# Altium PCB B1029_T01_V1.1.PcbDoc (part 2 of 2)
Units mm, origin at the board's own origin, x right, y up, seen from the top; angles counter-clockwise.
Board outline 50.91 x 35.43 mm, 4 copper layers (Top Layer, Mid-Layer 1, Mid-Layer 2, Bottom Layer), stack 0.842 mm thick; 178 components, 127 nets, 732 pads, 277 vias.
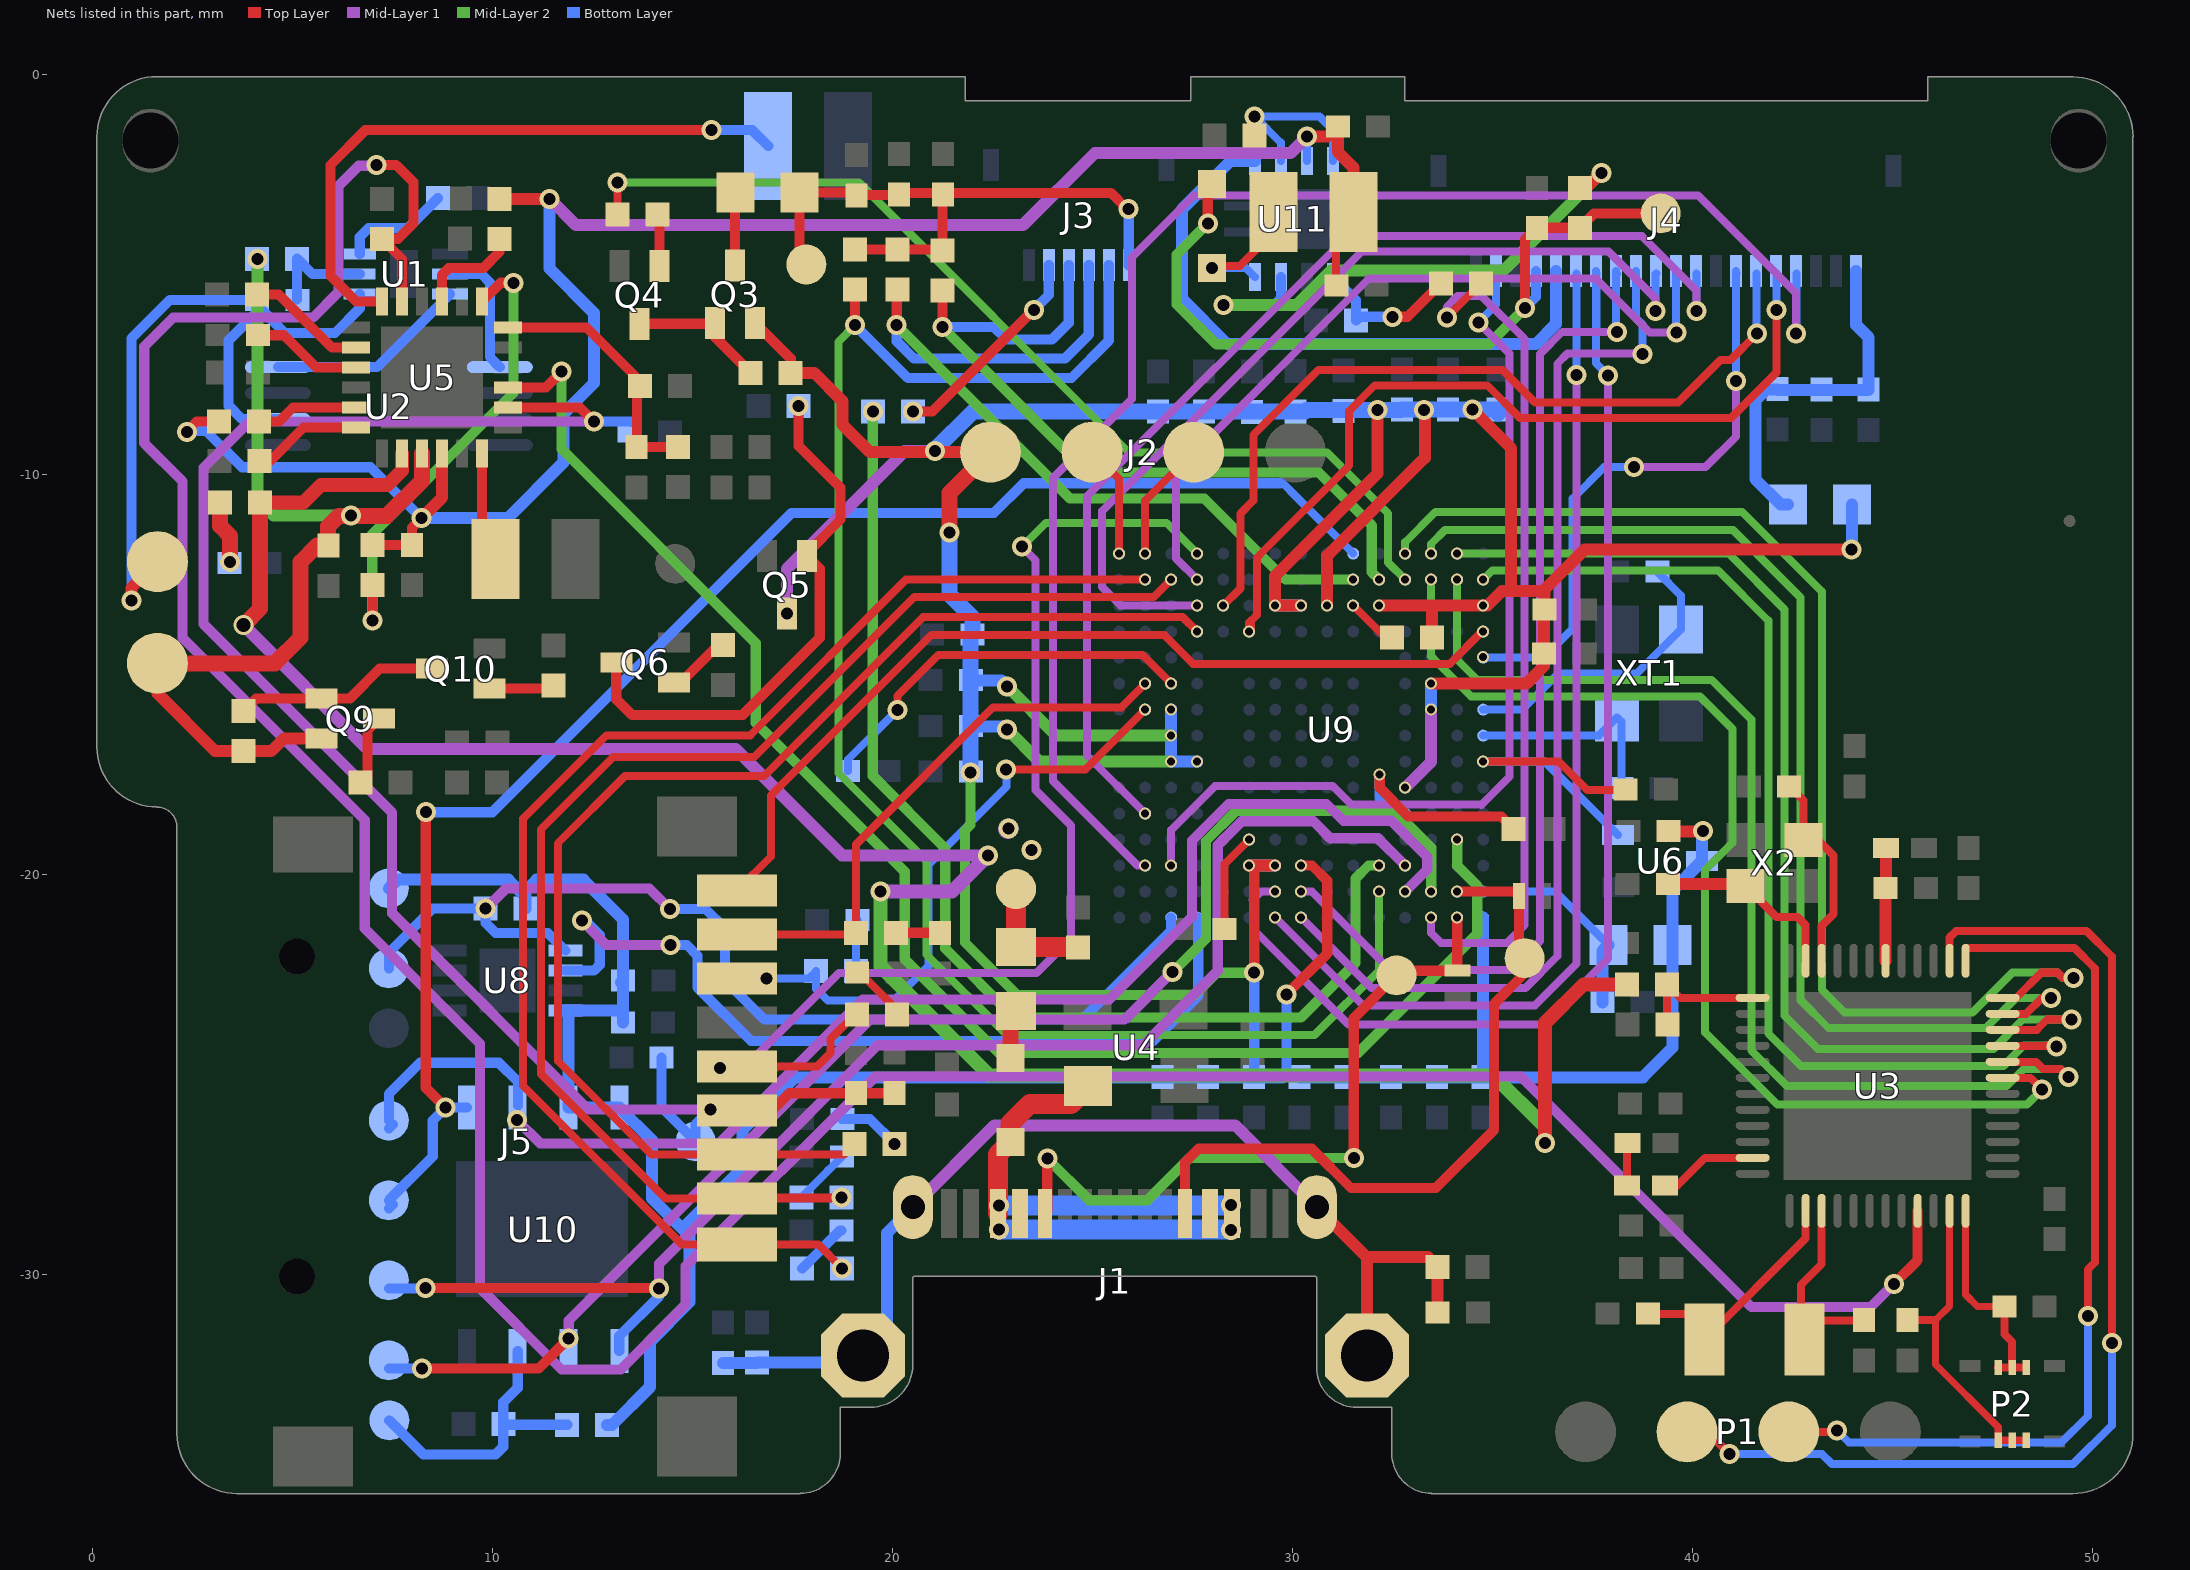
[diagram p4: the nets of this part, all layers, seen from the top]

## Via types
v1: diameter 0.5, hole 0.3, Top Layer to Bottom Layer, 203 vias
v2: diameter 0.3, hole 0.2, Top Layer to Bottom Layer, 73 vias
v3: diameter 0.5, hole 0.35, Top Layer to Bottom Layer, 1 vias

## Nets (pads, with @x,y where several pads share a name; then routed paths per layer and width w, separated by ;. In a path a pad name is that pad's centre, name@x,y a point inside that pad or via, vN(x,y) a via of type N, cw(c..) or ccw(c..) an arc to the next point about the centre after c; other vN are vias at no path point) (continued)
LCD_DB1: J4.9 U9.L14 | length 28.5
  Mid-Layer 1 w0.2: v2(26.327,-18.48) 24.867,-17.02 24.867,-10.555 31.378,-4.045 38.744,-4.045 40.104,-5.405 v1(40.104,-5.913)
  Bottom Layer w0.2: v1(40.104,-5.913) 40.104,-4.98 J4.9@40.111,-4.974
LCD_DB2: J4.10 U9.B12 | length 19.5
  Mid-Layer 1 w0.2: v2(27.627,-12.63) 27.1,-12.102 27.1,-9.927 31.918,-5.108 37.594,-5.108 38.944,-6.458 v1(39.611,-6.458)
  Bottom Layer w0.2: J4.10@39.598,-4.915 39.598,-6.445 v1(39.611,-6.458)
LCD_DB3: J4.11 U9.C12 | length 22.7
  Mid-Layer 1 w0.2: v2(27.627,-13.28) 25.714,-13.28 25.247,-12.814 25.247,-10.92 31.742,-4.425 37.911,-4.425 39.088,-5.603 v1(39.088,-5.913)
  Bottom Layer w0.2: v1(39.088,-5.913) 39.088,-4.996 J4.11@39.111,-4.974
LCD_DB4: J4.12 U9.R8 | length 26.7
  Mid-Layer 1 w0.2: v2(30.227,-21.08) 31.986,-22.839 35.836,-22.839 36.629,-22.046 36.629,-7.235 36.888,-6.977 38.746,-6.977 v1(38.757,-6.988)
  Bottom Layer w0.2: J4.12@38.598,-4.915 38.598,-6.095 38.757,-6.254 v1(38.757,-6.988) ; v1@38.78,-7.011 38.788,-7.004 v1@38.788,-6.988
LCD_DB5: J4.13 U9.P8 | length 25.5
  Mid-Layer 1 w0.2: v2(30.227,-20.43) 30.491,-20.43 32.454,-22.393 35.467,-22.393 36.196,-21.664 36.196,-6.993 36.754,-6.435 v1(38.12,-6.435)
  Bottom Layer w0.2: J4.13@38.098,-4.915 38.098,-6.412 v1(38.12,-6.435) ; J4.13@38.111,-4.974 J4.13@38.123,-4.986
LCD_DB6: J4.14 U9.P9 | length 30.8
  Mid-Layer 1 w0.2: v2(29.577,-20.43) 29.219,-20.43 29.007,-20.642 29.018,-20.653 29.018,-21.359 31.41,-23.751 36.255,-23.751 37.901,-22.105 v1(37.901,-7.524)
  Bottom Layer w0.2: J4.14@37.598,-4.915 37.598,-7.22 v1(37.901,-7.524) ; J4.14@37.611,-4.974 37.611,-6.468 37.62,-6.477
LCD_DB7: J4.15 U9.R9 | length 26.1
  Mid-Layer 1 w0.2: v2(29.577,-21.08) 31.77,-23.273 36.07,-23.273 37.111,-22.232 v1(37.111,-7.51)
  Bottom Layer w0.2: v1(37.111,-7.51) J4.15@37.111,-4.974
LCD_FMARK: J4.19 U9.N13 | length 23.5
  Top Layer w0.125: v2(26.977,-19.78) v2@26.977,-19.749
  Mid-Layer 1 w0.2: v2(26.977,-19.78) 26.977,-18.89 28.078,-17.789 31.015,-17.789 31.477,-18.251 34.724,-18.251 34.733,-18.26 35.435,-17.558 35.435,-6.982 v1(34.654,-6.201)
  Bottom Layer w0.2: v1(34.654,-6.201) 35.098,-5.758 J4.19@35.098,-4.915
LCD_RD: J4.5 U9.D10 | length 21.2
  Top Layer w0.2: 29.194,-12.009 29.117,-12.085 ; v1(42.111,-5.888) 42.111,-7.454 40.975,-8.59 35.695,-8.59 34.878,-7.773 32.067,-7.773 31.426,-8.413 31.426,-9.776 29.117,-12.085 ; 28.977,-13.658 29.117,-13.518 29.117,-12.085 ; 28.977,-13.658 28.977,-13.88 v2(28.927,-13.93) 28.927,-13.708 28.977,-13.658
  Bottom Layer w0.2: v1(42.111,-5.888) J4.5@42.111,-4.974
LCD_RES: J4.7 U9.E1 | length 15.7
  Mid-Layer 1 w0.2: v1(38.552,-9.819) 40.335,-9.819 41.095,-9.059 v1(41.095,-7.671)
  Bottom Layer w0.2: U9.E1@34.769,-14.519 v2(34.769,-14.571) 34.776,-14.579 36.286,-14.579 37.015,-13.85 37.015,-10.607 37.803,-9.819 v1(38.552,-9.819) ; v1(41.095,-7.671) 41.098,-7.669 J4.7@41.098,-4.987 ; 41.095,-5.913 41.095,-4.989 J4.7@41.098,-4.987 ; J4.7@41.098,-4.915 J4.7@41.098,-4.987 ; J4.7@41.111,-4.974 J4.7@41.098,-4.987
LCD_RS: J4.4 U9.N14 | length 37.9
  Mid-Layer 1 w0.2: v2(26.327,-19.78) 26.133,-19.78 24.02,-17.667 24.02,-10.088 25.993,-8.114 25.993,-4.576 27.545,-3.024 40.147,-3.024 42.594,-5.471 v1(42.594,-6.472)
  Bottom Layer w0.2: v1(42.594,-6.472) 42.611,-6.455 J4.4@42.611,-4.974
LCD_WR: J4.6 U9.C11 | length 20.4
  Top Layer w0.2: v2(28.277,-13.28) 28.707,-12.85 28.707,-10.98 29.038,-10.649 29.038,-9.01 30.656,-7.393 35.262,-7.393 36.074,-8.205 39.651,-8.205 40.713,-7.142 40.958,-7.142 v1(41.628,-6.472)
  Mid-Layer 1 w0.2: v2(28.277,-13.28) v2@28.277,-13.242
  Bottom Layer w0.2: J4.6@41.611,-4.974 41.611,-6.455 v1(41.628,-6.472)
LEDA: C76.2 D4.2 J4.17 R43.2 T9.1 | length 19.3
  Top Layer w0.254: v1(27.891,-3.725) 27.891,-2.854 D4.2@27.999,-2.746 ; v1(35.819,-5.843) 35.819,-4.129 36.113,-3.835 R43.2@37.194,-3.835 37.554,-3.475 T9.1@39.215,-3.475
  Mid-Layer 2 w0.254: v1(27.891,-3.725) 27.11,-4.506 27.11,-5.751 28.107,-6.748 34.915,-6.748 v1(35.819,-5.843)
  Bottom Layer w0.254: v1(35.819,-5.843) 36.098,-5.565 J4.17@36.098,-4.915
LEDK: J4.16 U11.1 | length 15.9
  Bottom Layer w0.3: U11.1@29.068,-2.169 28.454,-2.169 27.248,-3.375 27.248,-5.612 28.381,-6.744 36.088,-6.744 36.598,-6.235 J4.16@36.598,-4.915
NetBT1_2: BT1.2 C7.1 U1.4 U2.2 | length 19.1
  Top Layer w0.3: v1(0.981,-13.148) 0.981,-12.835 BT1.2@1.633,-12.183
  Bottom Layer w0.254: v1(0.981,-13.148) 0.981,-6.603 1.948,-5.636 C7.1@4.121,-5.636 4.121,-5.77 C7.1@4.125,-5.774 ; U2.2@4.644,-8.618 3.748,-8.618 3.413,-8.283 3.413,-6.647 4.125,-5.935 C7.1@4.125,-5.774 ; U1.4@6.69,-5.491 6.69,-5.847 6.073,-6.465 4.816,-6.465 C7.1@4.125,-5.774
NetC5_2: C5.2 C10.2 J1.0 R3.2 R6.2 | length 26.8
  Top Layer w0.3: J1.0@30.619,-28.318 31.869,-29.568 ; J1.0@31.869,-32.025 31.869,-29.568 ; C10.2@33.636,-30.958 33.636,-29.816 R6.2@33.639,-29.813 33.393,-29.568 31.869,-29.568
  Mid-Layer 1 w0.3: J1.0@20.519,-28.318 22.561,-26.276 28.578,-26.276 J1.0@30.619,-28.318
  Bottom Layer w0.3: C5.2@15.768,-32.211 R3.2@16.621,-32.211 ; R3.2@16.621,-32.209 19.086,-32.209 J1.0@19.269,-32.025 19.867,-31.428 19.867,-28.97 J1.0@20.519,-28.318
NetC7_2: C7.2 R5.1 U1.5 | length 2.7
  Bottom Layer w0.254: C7.2@5.125,-5.626 R5.1@5.125,-4.61 5.506,-4.991 U1.5@6.69,-4.991
NetC13_2: C13.2 R50.1 | length 1.6
  Top Layer w0.4: R50.1@3.197,-10.708 3.197,-11.289 3.446,-11.538 v1(3.446,-12.193)
NetC16_2: C16.2 U5.3 | length 2.8
  Top Layer w0.254: C16.2@4.141,-6.523 4.798,-6.523 5.605,-7.33 U5.3@6.597,-7.33
NetC19_1: C19.1 L3.1 U3.30 | length 2.8
  Top Layer w0.3: U3.30@44.838,-22.16 44.838,-20.353 C19.1@44.842,-20.349 ; C19.1@44.85,-20.341 L3.1@44.85,-19.335
  Top Layer w0.381: C19.1@44.842,-20.349 C19.1@44.85,-20.341
NetC23_2: C23.2 R15.2 R16.2 U5.18 | length 6.5
  Top Layer w0.254: U5.18@10.4,-6.33 12.36,-6.33 R16.2@13.76,-7.73 ; R16.2@13.696,-7.793 13.619,-7.87 13.619,-9.321 13.621,-9.319 R15.2@14.641,-9.319
NetC60_1: C60.1 U9.F13 | length 10
  Top Layer w0.2: v1(20.131,-15.892) 20.131,-15.536 21.157,-14.51 26.257,-14.51 v2(26.977,-15.23)
  Bottom Layer w0.2: C60.1@18.901,-17.42 18.901,-17.122 v1(20.131,-15.892)
NetC61_1: C61.1 U9.M10 | length 2.5
  Top Layer w0.2: C61.1@28.305,-21.367 28.311,-21.362 28.311,-19.746 v2(28.927,-19.13)
NetC64_2: C64.2 R32.2 | length 1.4
  Bottom Layer w0.254: R32.2@17.752,-29.851 18.703,-28.9 C64.2@18.738,-28.9
NetC65_2: C65.2 R34.2 | length 1.4
  Bottom Layer w0.2: R34.2@17.73,-28.075 18.403,-27.402 18.403,-27.394 18.414,-27.394 C65.2@18.749,-27.059
NetC66_1: C66.1 C69.1 C71.1 J4.1 L8.1 | length 9.1
  Bottom Layer w0.3: L8.1@42.391,-10.753 42.212,-10.753 41.58,-10.121 41.58,-8.16 41.864,-7.876 42.14,-7.876 42.152,-7.888 43.247,-7.888 44.415,-7.888 44.415,-6.577 44.098,-6.259 J4.1@44.098,-4.915
NetC67_2: C67.2 R35.2 | length 1.6
  Bottom Layer w0.254: C67.2@18.755,-26.114 19.443,-26.114 v1(20.064,-26.735)
NetC68_2: C68.2 R38.2 | length 1.5
  Top Layer w0.2: C68.2@19.121,-22.447 19.186,-22.447 20.118,-23.38 R38.2@20.118,-23.501
NetC70_2: C70.2 R39.2 | length 1.3
  Bottom Layer w0.2: R39.2@19.103,-22.421 19.103,-21.17 C70.2@19.133,-21.141
NetC72_2: C72.2 R41.2 | length 1.1
  Top Layer w0.254: R41.2@20.097,-21.46 21.232,-21.46 C72.2@21.238,-21.465
NetD1_2: D1.2 FB1.1 | length 1.2
  Top Layer w0.4: D1.2@22.961,-24.586 22.961,-23.553 FB1.1@23.097,-23.416
NetD4_1: D4.1 L7.2 U11.8 | length 3.7
  Top Layer w0.2: v1(27.999,-4.846) 28.053,-4.792 28.691,-4.792 29.533,-3.95 L7.2@29.533,-3.44 ; L7.2@29.468,-3.375 L7.2@29.568,-3.275
  Bottom Layer w0.2: v1(27.999,-4.846) 28.845,-4.846 U11.8@29.068,-5.069
NetJ3_2: J3.2 R27.1 | length 5.4
  Top Layer w0.254: v1(20.518,-8.429) 21.002,-8.429 v1(23.544,-5.888) v1@23.594,-5.837
  Bottom Layer w0.254: v1(23.544,-5.888) 23.917,-5.515 J3.2@23.917,-4.77
NetK1_2: K1.2 U5.24 | length 15.8
  Top Layer w0.254: U5.24@7.248,-5.678 6.601,-5.678 5.96,-5.038 5.96,-2.264 6.83,-1.394 v1(15.485,-1.394)
  Bottom Layer w0.254: v1(15.485,-1.394) 16.507,-1.394 K1.2@16.903,-1.79
NetL1_2: L1.2 L2.1 | length 1.1
  Top Layer w0.2: L2.1@38.374,-27.776 38.374,-26.729 L1.2@38.382,-26.721
NetL2_2: L2.2 U3.47 | length 2.5
  Top Layer w0.2: L2.2@39.324,-27.776 39.63,-27.776 40.321,-27.085 U3.47@41.513,-27.085
NetL4_2: L4.2 U5.12 | length 2.5
  Top Layer w0.254: L4.2@9.624,-11.932 9.748,-11.808 U5.12@9.748,-9.482
NetL6_1: L6.1 Q3.2 | length 1.8
  Top Layer w0.254: Q3.2@16.076,-4.78 16.076,-2.962 L6.1@16.089,-2.95
NetQ3_1: Q3.1 Q4.2 R23.1 | length 3.5
  Top Layer w0.254: Q4.2@13.684,-6.235 15.561,-6.235 Q3.1@15.576,-6.22 15.576,-6.574 R23.1@16.465,-7.463
NetQ4_1: Q4.1 R22.2 | length 1.3
  Top Layer w0.254: R22.2@14.138,-3.508 14.184,-3.555 Q4.1@14.184,-4.795
NetQ5_1: Q5.1 Q6.2 R24.1 | length 13.7
  Top Layer w0.254: Q6.2@13.104,-14.702 13.104,-15.622 13.494,-16.012 16.266,-16.012 18.191,-14.087 18.191,-12.361 Q5.1@17.871,-12.041 17.871,-11.969 18.711,-11.129 18.711,-10.336 17.661,-9.286 v1(17.661,-8.289)
NetQ6_1: Q6.1 R25.1 | length 1.6
  Top Layer w0.254: Q6.1@14.544,-15.202 14.717,-15.202 15.659,-14.26 R25.1@15.776,-14.26
NetQ9_1: Q9.1 Q10.2 R44.1 | length 5.2
  Top Layer w0.254: R44.1@3.782,-15.921 4.097,-15.606 Q9.1@5.738,-15.606 6.439,-15.606 7.191,-14.854 Q10.2@8.498,-14.854
NetQ9_2: Q9.2 R45.2 | length 1.8
  Top Layer w0.254: R45.2@6.711,-17.699 6.736,-17.699 6.881,-17.554 6.881,-16.403 Q9.2@7.178,-16.106
NetQ10_1: Q10.1 R46.1 | length 1.6
  Top Layer w0.254: Q10.1@9.938,-15.354 11.454,-15.354 R46.1@11.53,-15.278
NetR4_1: R4.1 U1.6 | length 2.8
  Bottom Layer w0.254: U1.6@6.69,-4.491 6.69,-4.066 6.909,-3.847 7.89,-3.847 R4.1@8.65,-3.087
NetR9_2: R9.2 U5.2 | length 3
  Top Layer w0.254: R9.2@4.163,-5.507 4.671,-5.507 5.994,-6.83 U5.2@6.597,-6.83
NetR10_2: R10.2 U5.6 | length 2.8
  Top Layer w0.254: R10.2@4.181,-9.664 4.451,-9.664 5.285,-8.83 U5.6@6.597,-8.83
NetR11_1: R11.1 U5.19 | length 11.8
  Top Layer w0.254: v1(7.004,-13.653) 7.01,-13.647 R11.1@7.01,-12.763 ; U5.19@9.748,-5.678 10.217,-5.21 v1(10.532,-5.21)
  Mid-Layer 2 w0.254: v1(7.004,-13.653) 7.004,-11.494 10.532,-7.966 v1(10.532,-5.21)
NetR12_2: R12.2 U5.21 | length 2.7
  Top Layer w0.254: U5.21@8.748,-5.678 8.748,-5.012 8.916,-4.844 9.777,-4.844 10.186,-4.435 R12.2@10.186,-4.113
NetR13_2: R13.2 U5.5 | length 2.6
  Top Layer w0.254: R13.2@4.174,-8.677 4.676,-8.677 5.023,-8.33 U5.5@6.597,-8.33
NetR30_2: R30.2 U9.C6 | length 1.3
  Top Layer w0.2: v2(31.527,-13.28) 32.321,-14.074 R30.2@32.496,-14.074
NetR31_2: R31.2 U9.L4 | length 5.5
  Top Layer w0.254: v2(32.189,-17.507) 32.189,-17.838 32.905,-18.554 35.227,-18.554 R31.2@35.54,-18.867
  Bottom Layer w0.254: v2(32.189,-17.507) 32.189,-18.086 32.583,-18.48 U9.L4@32.827,-18.48
NetR33_2: R33.2 R36.2 U11.5 | length 3.8
  Top Layer w0.254: v1(32.506,-6.061) 32.885,-6.061 R33.2@33.716,-5.23
  Bottom Layer w0.254: U11.5@31.018,-5.069 31.593,-5.644 R36.2@31.593,-6.156 31.688,-6.061 v1(32.506,-6.061)
NetR42_2: R42.2 U11.2 U11.4 | length 4.3
  Top Layer w0.2: v1@29.061,-1.054 v1(29.063,-1.052)
  Bottom Layer w0.2: U11.2@29.718,-2.169 29.718,-1.707 v1(29.063,-1.052) 30.682,-1.052 31.018,-1.388 U11.4@31.018,-2.169
NetR43_1: R43.1 U11.7 | length 13.5
  Top Layer w0.3: R43.1@37.194,-2.835 37.357,-2.835 v1(37.731,-2.461)
  Mid-Layer 2 w0.3: v1(28.284,-5.767) 30.118,-5.767 30.984,-4.901 35.291,-4.901 v1(37.731,-2.461)
  Bottom Layer w0.254: v1(28.284,-5.767) 29.557,-5.767 29.718,-5.606 U11.7@29.718,-5.069
NetR51_1: R51.1 R52.2 TVCC.1 U10.3 | length 7.4
  Bottom Layer w0.254: TVCC.1@7.43,-33.649 8.287,-34.506 10.082,-34.506 10.279,-34.308 R52.2@10.279,-33.745 ; U10.3@10.64,-31.919 10.64,-32.835 10.279,-33.196 R52.2@10.279,-33.745 ; R51.1@11.877,-33.761 10.296,-33.761 R52.2@10.279,-33.745
NetU1_2: U1.2 U2.5 | length 3.3
  Bottom Layer w0.254: U1.2@8.95,-4.991 9.733,-4.991 9.944,-5.202 9.944,-7.068 U2.5@10.194,-7.318
NetU1_3: U1.3 U2.4 | length 5.1
  Bottom Layer w0.254: U2.4@4.644,-7.318 7.123,-7.318 U1.3@8.95,-5.491
NFC1: C3.2 P2.1 P2.2 P2.3 U3.12 | length 5.5
  Top Layer w0.18: U3.12@46.838,-28.41 46.838,-30.51 47.133,-30.804 C3.2@47.805,-30.804
  Top Layer w0.2: P2.1@47.653,-32.327 P2.2@48.003,-32.327 ; C3.2@47.805,-30.804 47.805,-31.492 48.003,-31.691 P2.2@48.003,-32.327 ; P2.3@48.353,-32.327 P2.2@48.003,-32.327
NFC2: C4.2 P2.4 P2.5 P2.6 U3.11 | length 7.9
  Top Layer w0.18: U3.11@46.438,-28.41 46.438,-30.79 46.086,-31.142 46.086,-32.253 47.653,-33.82 P2.6@47.653,-34.147 P2.5@48.003,-34.147 P2.4@48.353,-34.147
  Top Layer w0.2: C4.2@45.381,-31.142 46.086,-31.142
NRF_RX: U3.23 U9.A3 | length 28.6
  Top Layer w0.2: U3.23@47.763,-23.485 48.348,-23.485 48.745,-23.088 v1(48.973,-23.088)
  Mid-Layer 2 w0.2: v2@33.477,-11.982 v2(33.477,-11.98) 33.477,-11.736 33.823,-11.39 41.02,-11.39 42.711,-13.081 42.711,-23.142 43.406,-23.836 47.351,-23.836 48.099,-23.088 v1(48.973,-23.088)
NRF_TX: U3.24 U9.A4 | length 30.9
  Top Layer w0.2: U3.24@47.763,-23.085 48.103,-23.085 48.736,-22.452 49.135,-22.452 49.271,-22.588 v1(49.529,-22.588)
  Mid-Layer 2 w0.2: v2@32.826,-11.982 32.826,-11.696 33.586,-10.936 41.248,-10.936 43.242,-12.93 43.242,-22.879 43.814,-23.451 47.012,-23.451 48.011,-22.452 49.129,-22.452 49.265,-22.588 v1(49.529,-22.588)
  other v2: 32.827,-11.98
NRST: C44.2 U6.2 U9.J1 | length 8
  Top Layer w0.2: v2(34.777,-17.18) 36.667,-17.18 37.379,-17.892 38.316,-17.892 C44.2@38.345,-17.863
  Bottom Layer w0.2: v2(34.777,-17.18) 36.313,-17.18 U6.2@38.149,-19.015
OSC_IN: C33.1 U9.G1 XT1.3 | length 7.5
  Bottom Layer w0.2: U9.G1@34.777,-15.88 35.751,-15.88 36.648,-14.984 38.613,-14.984 XT1.3@39.723,-13.873 39.723,-13.033 C33.1@39.131,-12.441
OSC_OUT: C34.1 U9.H1 XT1.1 | length 5.3
  Bottom Layer w0.2: U9.H1@34.777,-16.53 37.667,-16.53 XT1.1@38.123,-16.073 38.233,-16.183 C34.1@38.233,-17.826
PBSTAT: R8.2 U3.9 U5.23 | length 85.7
  Top Layer w0.254: v1(7.115,-2.264) 7.6,-2.264 8.034,-2.698 8.034,-3.723 7.64,-4.117 R8.2@7.251,-4.117 7.748,-4.614 U5.23@7.748,-5.678 ; v1(45.041,-30.24) 45.638,-29.643 U3.9@45.638,-28.41
  Mid-Layer 1 w0.254: v1@7.225,-2.284 6.667,-2.284 6.156,-2.795 6.156,-5.449 5.526,-6.08 2.028,-6.08 1.305,-6.804 1.305,-9.218 2.263,-10.177 2.263,-14.089 6.816,-18.642 6.816,-21.353 9.693,-24.23 9.693,-30.337 11.734,-32.378 13.219,-32.378 14.836,-30.761 14.836,-29.794 19.575,-25.056 35.721,-25.056 41.481,-30.816 44.466,-30.816 v1(45.041,-30.24)
PWM: R33.1 U9.R3 | length 21.6
  Top Layer w0.2: v1(33.867,-6.079) R33.1@34.716,-5.23
  Mid-Layer 1 w0.2: v2(33.477,-21.08) 33.477,-21.466 33.727,-21.716 35.369,-21.716 35.815,-21.27 35.815,-6.618 34.738,-5.541 34.137,-5.541 33.867,-5.811 v1(33.867,-6.079)
SBU1: D2.2 J1.A8 T3.1 U9.P2 | length 18
  Top Layer w0.254: J1.A8@27.324,-28.478 27.324,-27.194 27.659,-26.86 30.489,-26.86 31.472,-27.842 33.593,-27.842 35.051,-26.384 35.051,-23.238 35.812,-22.478 T3.1@35.812,-22.093 35.67,-21.951 D2.2@35.67,-20.544 35.556,-20.43 v2(34.127,-20.43)
SBU2: D3.2 J1.B8 T4.1 U9.R2 | length 17.8
  Top Layer w0.254: J1.B8@23.824,-28.478 23.879,-28.423 v1(23.879,-27.103) ; v1(31.541,-27.086) 31.541,-23.595 T4.1@32.611,-22.525 32.728,-22.408 D3.2@34.135,-22.408 34.127,-22.4 v2(34.127,-21.08)
  Mid-Layer 2 w0.254: v1(23.879,-27.103) 24.926,-28.15 26.379,-28.15 27.443,-27.086 v1(31.541,-27.086)
SD_3V3: C24.2 C73.1 C75.1 C77.1 J5.4 T8.1 U5.14 | length 44.7
  Top Layer w0.254: U5.14@10.4,-8.33 12.193,-8.33 v1(12.545,-8.682) ; v1(15.455,-25.882) 15.479,-25.906 J5.4@16.119,-25.906 16.992,-25.906 17.427,-25.47 C73.1@19.095,-25.47 20.045,-25.47 C75.1@20.056,-25.46
  Mid-Layer 1 w0.254: v1(12.545,-8.682) 3.932,-8.682 2.788,-9.827 2.788,-13.744 7.501,-18.457 7.501,-20.974 12.409,-25.882 v1(15.455,-25.882)
  Bottom Layer w0.254: v1(12.545,-8.682) 13.477,-8.682 C24.2@13.481,-8.686 ; C77.1@14.238,-24.581 14.238,-25.827 T8.1@15.088,-26.676 15.088,-26.249 v1(15.455,-25.882)
SD_CD: J5.9 U9.D1 | length 22.8
  Top Layer w0.2: J5.9@16.119,-20.406 16.967,-19.558 16.967,-18.031 20.979,-14.018 26.806,-14.018 27.522,-14.735 33.945,-14.735 v2@34.75,-13.93
  other v2: 34.777,-13.93
SD_CLK: J5.5 R38.1 U9.A12 | length 30.1
  Top Layer w0.2: J5.5@15.223,-25.045 16.88,-25.045 17.119,-24.806 18.124,-24.806 18.463,-24.467 18.463,-24.116 19.078,-23.501 R38.1@19.118,-23.501
  Mid-Layer 1 w0.2: v1(15.698,-24.84) 16.3,-24.84 18.671,-22.469 23.612,-22.469 24.475,-21.606 24.475,-18.779 23.588,-17.892 23.588,-12.147 v1(23.25,-11.809)
  Mid-Layer 2 w0.2: v1(23.25,-11.809) 23.841,-11.217 26.864,-11.217 v2(27.627,-11.98)
SD_CMD: J5.3 R35.1 U9.D12 | length 32.4
  Top Layer w0.2: R35.1@19.064,-26.735 18.794,-27.006 17.119,-27.006 13.987,-27.006 11.642,-24.662 11.642,-19.224 13.324,-17.542 16.801,-17.542 20.778,-13.565 27.262,-13.565 v2(27.627,-13.93)
SD_DATA0: J5.7 R39.1 U9.G14 | length 14.9
  Top Layer w0.2: v1(22.842,-17.377) 24.83,-17.377 v2(26.327,-15.88)
  Bottom Layer w0.2: v1(16.864,-22.599) 17.925,-22.599 R39.1@18.103,-22.421 18.103,-22.86 18.392,-23.15 20.039,-23.15 20.914,-22.275 20.914,-19.753 22.858,-17.809 22.858,-17.393 v1(22.842,-17.377)
SD_DATA1: J5.8 R41.1 U9.F14 | length 14.1
  Top Layer w0.2: J5.8@16.119,-21.506 19.05,-21.506 R41.1@19.097,-21.46 19.097,-19.25 22.518,-15.828 25.729,-15.828 v2(26.327,-15.23)
SD_DATA2: J5.1 R32.1 U9.B14 | length 34.6
  Top Layer w0.2: v1(18.752,-29.851) 18.157,-29.256 J5.1@16.119,-29.256 14.746,-29.256 10.773,-25.283 10.773,-18.608 12.857,-16.524 16.455,-16.524 20.349,-12.63 v2(26.327,-12.63)
SD_DATA3: J5.2 R34.1 U9.B13 | length 34.9
  Top Layer w0.2: v2(26.977,-12.63) 26.54,-13.067 20.554,-13.067 16.55,-17.071 13.023,-17.071 11.221,-18.873 11.221,-24.994 14.333,-28.106 15.656,-28.106 J5.2@17.119,-28.106 ; J5.2@17.119,-28.106 17.15,-28.075 v1(18.73,-28.075) 18.699,-28.106 J5.2@17.119,-28.106
SD_ON: U5.15 U9.M2 | length 38.8
  Top Layer w0.254: U5.15@10.4,-7.83 11.341,-7.83 v1(11.738,-7.433)
  Mid-Layer 2 w0.254: v1(11.738,-7.433) 11.738,-9.365 16.591,-14.218 16.591,-16.209 20.314,-19.932 20.314,-22.118 22.658,-24.462 31.655,-24.462 34.63,-21.487 34.63,-20.287 34.127,-19.784 v2(34.127,-19.13)
SE_ONEWIRE: DATA.1 R21.2 U8.5 U9.R13 | length 26.6
  Mid-Layer 1 w0.25: v1(9.84,-20.859) 10.341,-20.358 13.937,-20.358 v1(14.445,-20.866)
  Bottom Layer w0.25: DATA.1@7.419,-22.349 7.419,-21.952 8.512,-20.859 v1(9.84,-20.859) 9.84,-21.215 10.089,-21.464 11.391,-21.464 U8.5@11.829,-21.902 ; v1(14.445,-20.866) 15.336,-20.866 15.827,-21.357 15.827,-22.653 16.805,-23.63 24.754,-23.63 26.977,-21.407 U9.R13@26.977,-21.08
SE_STA: U8.6 U9.R12 | length 21.8
  Mid-Layer 1 w0.254: v1(12.242,-21.157) 12.242,-21.152 12.857,-21.767 v1(14.456,-21.767)
  Bottom Layer w0.254: U8.6@11.829,-22.402 12.55,-22.402 12.69,-22.262 12.69,-21.514 12.328,-21.152 12.242,-21.152 v1(12.242,-21.157) ; v1(14.456,-21.767) 14.872,-21.767 15.131,-22.027 15.131,-22.82 16.475,-24.165 26.53,-24.165 27.654,-23.042 27.654,-21.106 U9.R12@27.627,-21.08
SPI1_MISO: MISO.1 U9.P3 U10.2 | length 35
  Top Layer w0.254: v1(8.246,-32.357) 11.159,-32.357 v1(11.915,-31.6)
  Mid-Layer 1 w0.254: v1(11.915,-31.6) 11.915,-31.155 19.44,-23.63 25.812,-23.63 v1(27.006,-22.437)
  Mid-Layer 2 w0.254: v1(27.006,-22.437) 27.006,-22.453 27.848,-21.611 27.848,-19.165 28.604,-18.409 32.558,-18.409 33.477,-19.328 v2(33.477,-20.43)
  Bottom Layer w0.254: MISO.1@7.419,-32.349 8.238,-32.349 v1(8.246,-32.357)
SPI1_MOSI: MOSI.1 U9.A6 U10.5 | length 40.7
  Top Layer w0.254: v1(8.342,-18.446) 8.342,-25.334 v1(8.839,-25.831)
  Bottom Layer w0.2: 29.7,-10.222 29.77,-10.222 U9.A6@31.527,-11.98 ; 29.946,-10.403 U9.A6@31.526,-11.983
  Bottom Layer w0.254: MOSI.1@7.419,-28.349 MOSI.1@7.519,-28.249 ; MOSI.1@7.419,-28.149 8.516,-27.052 8.516,-26.154 v1(8.839,-25.831) U10.5@9.37,-25.831 ; v1(8.342,-18.446) 10.003,-18.446 17.487,-10.962 22.548,-10.962 23.288,-10.222 29.7,-10.222
SPI1_NSS: SS.1 U9.N4 U10.1 | length 35
  Top Layer w0.254: v1(8.332,-30.343) 14.18,-30.343 14.197,-30.326 14.197,-30.334 v1(14.176,-30.354)
  Mid-Layer 1 w0.254: v1(14.176,-30.354) 14.176,-29.731 19.634,-24.273 26.276,-24.273 28.139,-22.41 28.139,-19.272 28.738,-18.673 30.534,-18.673 30.956,-19.095 32.142,-19.095 v2(32.827,-19.78)
  Bottom Layer w0.254: SS.1@7.419,-30.349 8.326,-30.349 v1(8.332,-30.343) ; U10.1@13.18,-31.919 13.18,-31.542 14.176,-30.546 v1(14.176,-30.354)
SPI1_SCK: SCK.1 U9.P4 U10.6 | length 34.4
  Mid-Layer 1 w0.254: v1(10.622,-26.146) 11.2,-26.725 15.671,-26.725 19.267,-23.128 25.428,-23.128 27.496,-21.06 27.496,-19.153 28.41,-18.239 30.861,-18.239 31.283,-18.661 32.475,-18.661 33.377,-19.564 33.377,-19.88 v2(32.827,-20.43)
  Bottom Layer w0.254: SCK.1@7.419,-26.352 SCK.1@7.519,-26.252 ; SCK.1@7.419,-26.152 7.419,-25.489 8.197,-24.711 10.169,-24.711 10.649,-25.191 U10.6@10.649,-25.779
SPI_MISO: U3.20 U9.B2 | length 28.6
  Top Layer w0.2: U3.20@47.763,-24.685 48.598,-24.685 48.773,-24.86 49.206,-24.86 v1(49.414,-25.068)
  Mid-Layer 2 w0.2: v2(34.127,-12.63) 34.127,-14.633 34.629,-15.135 40.485,-15.135 41.48,-16.13 41.48,-24.4 42.374,-25.294 47.864,-25.294 48.298,-24.86 49.206,-24.86 v1(49.414,-25.068)
SPI_MOSI: U3.19 U9.B3 | length 28.5
  Top Layer w0.2: U3.19@47.763,-25.085 48.461,-25.085 v1(48.752,-25.376)
  Mid-Layer 2 w0.2: v2(33.477,-12.63) 33.477,-14.551 34.477,-15.551 40.199,-15.551 41.011,-16.363 41.011,-19.21 40.328,-19.894 40.328,-23.95 42.131,-25.753 48.375,-25.753 v1(48.752,-25.376)
SPI_NSS: U3.21 U9.B1 | length 26.7
  Top Layer w0.2: U3.21@47.763,-24.285 48.86,-24.285 v1@48.864,-24.281
  Mid-Layer 2 w0.2: v2(34.777,-12.63) 35.01,-12.397 40.644,-12.397 41.904,-13.657 41.904,-23.976 42.719,-24.791 47.781,-24.791 48.292,-24.281 v1@48.864,-24.281
  other v1: 49.106,-24.298
SPI_SCK: U3.22 U9.A2 | length 28.6
  Top Layer w0.2: U3.22@47.763,-23.885 48.617,-23.885 48.879,-23.623 v1(49.486,-23.623)
  Mid-Layer 2 w0.2: v2(34.127,-11.98) 40.916,-11.98 42.313,-13.377 42.313,-23.532 43.146,-24.365 47.533,-24.365 48.275,-23.623 v1(49.486,-23.623)
ST_3V3: C29.2 C31.1 C32.1 C36.1 C37.1 C38.1 C39.1 C40.1 C41.1 C42.1 C43.1 C45.1 C46.1 C47.1 C48.1 C49.1 C50.1 C51.1 C52.1 C53.1 C54.1 C55.1 C56.1 C74.2 C78.2 J2.4 L5.1 L8.2 Q3.3 Q5.2 R21.1 R23.2 R30.1 R51.2 U6.3 U8.8 U9.C1 U9.C5 U9.C7 U9.C8 U9.C9 U9.F3 U9.G3 U9.G13 U9.H13 U9.J12 U9.J13 U9.K4 U9.N8 U9.N9 U9.N10 U9.R1 U10.7 U10.8 VCC1.1 | length 177.1
  Top Layer w0.254: Q3.3@16.576,-6.22 17.465,-7.109 R23.2@17.465,-7.463 ; v2(28.927,-19.78) 29.052,-19.905 v1(29.052,-22.459) ; v1(29.857,-23.004) 30.879,-21.981 30.879,-20.161 30.498,-19.78 v2(30.227,-19.78)
  Top Layer w0.3: R23.2@17.465,-7.463 18.052,-7.463 18.755,-8.166 18.755,-8.753 19.444,-9.442 J2.4@22.46,-9.442 ; v2(28.927,-19.78) v2(29.577,-19.78) ; v2(30.227,-13.28) v2(29.577,-13.28) 29.577,-12.536 32.132,-9.981 v1(32.132,-8.386) ; v2(30.877,-13.28) 30.877,-12.031 33.32,-9.588 33.32,-8.403 v1(33.302,-8.385) ; v2(32.177,-13.28) 33.492,-13.28 ; v2(33.477,-15.23) 35.859,-15.23 36.301,-14.788 36.301,-13.396 C50.1@36.292,-13.387 ; R30.1@33.496,-14.074 33.496,-13.284 33.492,-13.28 ; v1(34.511,-8.383) 35.477,-9.349 35.477,-12.912 ; C50.1@36.315,-13.386 36.315,-12.876 ; C29.2@39.41,-18.928 v1@40.267,-18.928 ; v1(43.987,-11.883) 37.308,-11.883 36.315,-12.876 ; 33.492,-13.28 v2(34.777,-13.28) 34.882,-13.28 35.25,-12.912 35.477,-12.912 ; 35.477,-12.912 36.279,-12.912 36.315,-12.876
  Top Layer w0.4: v1(21.438,-11.448) 21.438,-10.464 J2.4@22.46,-9.442
  Mid-Layer 1 w0.3: v1(17.371,-13.481) 17.371,-12.362 20.314,-9.419 v1(21.078,-9.419) ; v2(32.827,-17.83) 33.477,-17.18 v2(33.477,-15.88)
  Mid-Layer 2 w0.254: v1(21.955,-17.451) 21.956,-17.452 21.956,-18.767 21.82,-18.903 21.82,-21.702 23.132,-23.014 27.568,-23.014 28.123,-22.459 v1(29.052,-22.459)
  Mid-Layer 2 w0.3: v1(22.877,-16.373) 23.684,-17.18 v2(26.977,-17.18) ; v1(22.877,-15.3) 24.107,-16.53 v2(26.977,-16.53)
  Bottom Layer w0.254: C48.1@29.045,-25.069 29.052,-25.062 v1(29.052,-22.459) ; 29.768,-25.073 29.857,-24.985 v1(29.857,-23.004)
  Bottom Layer w0.3: VCC1.1@7.419,-20.349 7.638,-20.13 10.406,-20.13 R21.1@10.84,-20.564 ; R21.1@10.84,-20.859 R21.1@10.84,-20.564 ; R51.2@12.877,-33.761 13.001,-33.761 13.947,-32.815 13.947,-31.682 14.94,-30.688 14.94,-29.048 14.75,-28.858 ; 13.225,-23.402 U8.8@11.829,-23.402 11.91,-23.483 U10.7@11.91,-25.831 U10.8@13.18,-25.831 13.991,-26.642 13.991,-28.099 14.75,-28.858 ; C78.2@13.225,-22.701 C78.2@13.267,-22.659 ; C74.2@13.267,-23.701 C78.2@13.267,-22.659 ; C49.1@21.963,-16.3 22.804,-16.3 v1(22.877,-16.373) ; C52.1@21.963,-15.157 22.734,-15.157 v1(22.877,-15.3) ; v2(26.977,-15.88) v2(26.977,-16.53) v2(26.977,-17.18) v2(27.627,-17.18) ; v2(28.927,-19.78) v2(29.577,-19.78) ; v2(29.577,-13.28) v2(30.227,-13.28) ; 29.768,-25.073 17.582,-25.073 16.254,-26.401 16.254,-27.354 14.75,-28.858 ; C45.1@30.188,-25.073 C53.1@34.77,-25.073 ; v2(33.477,-15.88) v2(33.477,-15.23) ; U9.R1@34.777,-21.08 34.777,-25.066 C53.1@34.77,-25.073 ; v1(40.274,-18.921) 40.249,-18.947 U6.3@40.249,-19.665 39.507,-20.406 L5.1@39.507,-21.763 39.507,-24.332 38.766,-25.073 C53.1@34.77,-25.073 ; v1(43.987,-11.883) 43.991,-11.879 L8.2@43.991,-10.753 ; R21.1@10.84,-20.564 10.84,-20.404 11.113,-20.131 12.28,-20.131 13.278,-21.13 C78.2@13.278,-22.648 C78.2@13.267,-22.659
  Bottom Layer w0.4: v1(21.078,-9.419) 21.078,-9.397 21.071,-9.39 22.033,-8.428 30.317,-8.428 30.356,-8.389 v1@32.129,-8.389 ; v1(21.438,-11.448) 21.438,-13.007 22.006,-13.574 C55.1@22.006,-14.002 ; C46.1@21.963,-17.443 21.963,-16.3 21.963,-15.157 21.963,-14.051 22.001,-14.013 C55.1@22.001,-14.002 ; v1(32.132,-8.386) v1@32.129,-8.389 ; v1@33.306,-8.379 32.736,-8.379 32.726,-8.389 v1@32.129,-8.389 ; v1@33.32,-8.379 C43.1@35.118,-8.379 ; C43.1@35.105,-8.428 C43.1@35.151,-8.475
SWDCLK: J2.2 U9.A14 | length 3
  Top Layer w0.2: v2(26.327,-11.98) 26.327,-10.655 J2.2@27.54,-9.442
SWDCLK_NORDIC: P1.3 U3.25 | length 22.9
  Top Layer w0.2: P1.3@42.416,-33.939 43.583,-33.939 v1(43.621,-33.901) ; U3.25@46.838,-22.16 46.838,-21.862 46.857,-21.843 49.558,-21.843 50.064,-22.349 50.066,-22.349 50.066,-29.7 49.892,-29.875 v1(49.892,-31.043)
  Bottom Layer w0.2: v1(43.621,-33.901) 43.918,-34.198 49.238,-34.198 49.892,-33.545 v1(49.892,-31.043)
SWDIO: J2.3 U9.A15 | length 2.8
  Top Layer w0.2: J2.3@25,-9.442 25.677,-10.119 v2(25.677,-11.98)
SWDIO_NORDIC: P1.2 U3.26 | length 28
  Top Layer w0.2: P1.2@39.876,-33.939 40.387,-33.939 v1(40.937,-34.49) ; U3.26@46.438,-22.16 46.438,-21.579 46.602,-21.415 49.857,-21.415 50.491,-22.049 v1(50.491,-31.711)
  Bottom Layer w0.2: v1(40.937,-34.49) 43.243,-34.49 43.497,-34.744 49.525,-34.744 50.491,-33.777 v1(50.491,-31.711)
TCH_EINT: R27.2 U9.N5 | length 28.5
  Mid-Layer 2 w0.254: v1(19.518,-8.429) 19.518,-17.538 21.33,-19.351 21.33,-21.854 23.057,-23.581 30.219,-23.581 31.581,-22.219 31.581,-20.108 31.909,-19.78 v2(32.177,-19.78)
TCH_RST: J3.5 R29.1 U9.P5 | length 41.7
  Top Layer w0.254: v1(19.073,-6.269) R29.1@19.073,-5.372
  Mid-Layer 2 w0.2: v1(19.073,-6.269) 18.655,-6.687 18.655,-17.46 20.863,-19.669 20.863,-22.008 22.874,-24.019 30.559,-24.019 32.177,-22.4 v2(32.177,-20.43)
  Bottom Layer w0.254: v1(19.073,-6.269) 20.394,-7.59 24.483,-7.59 25.417,-6.657 J3.5@25.417,-4.77
TCH_SCL: J3.4 R28.1 U9.B6 | length 22.3
  Top Layer w0.254: v1(20.115,-6.269) 20.115,-5.405 R28.1@20.14,-5.38
  Mid-Layer 2 w0.254: v1(20.115,-6.269) 24.453,-10.607 27.808,-10.607 29.831,-12.63 v2(31.527,-12.63)
  Bottom Layer w0.254: v1(20.115,-6.269) 20.115,-6.675 20.546,-7.107 24.317,-7.107 24.917,-6.507 J3.4@24.917,-4.77
TCH_SDA: J3.3 R26.1 U9.B5 | length 20
  Top Layer w0.254: v1(21.258,-6.32) R26.1@21.258,-5.397
  Mid-Layer 2 w0.254: v1(21.258,-6.32) 24.895,-9.957 30.672,-9.957 31.99,-11.275 31.99,-12.443 v2(32.177,-12.63)
  Bottom Layer w0.254: v1(21.258,-6.32) 22.553,-6.32 22.858,-6.625 24.001,-6.625 24.417,-6.209 J3.3@24.417,-4.77
TOUCH_ON: R22.1 U9.B4 | length 25.3
  Top Layer w0.2: R22.1@13.138,-3.508 v1@13.138,-2.704
  Mid-Layer 2 w0.2: v1(13.137,-2.704) 19.173,-2.704 25.918,-9.449 30.873,-9.449 32.397,-10.974 32.397,-12.2 v2(32.827,-12.63)
USB_INS: R48.2 R49.2 U3.37 | length 3.3
  Top Layer w0.2: R49.2@39.384,-23.757 39.37,-23.743 R48.2@39.37,-22.757 39.698,-23.085 U3.37@41.513,-23.085
VBAT: BT1.1 C12.1 Q9.3 R5.2 R44.2 U5.9 | length 24.7
  Top Layer w0.3: BT1.1@1.633,-14.723 1.633,-15.476 3.078,-16.921 R44.2@3.782,-16.921 4.477,-16.921 4.792,-16.606 Q9.3@5.738,-16.606
  Top Layer w0.4: BT1.1@1.633,-14.723 4.566,-14.723 5.209,-14.08 5.209,-12.192 5.621,-11.78 5.903,-11.78 5.903,-11.302 6.166,-11.039 7.37,-11.039 8.248,-10.161 U5.9@8.248,-9.482
  Mid-Layer 2 w0.3: v1(4.136,-4.614) 4.136,-10.631 4.538,-11.033 v1(6.478,-11.033)
VBUS: D1.1 J1.A4 J1.A9 J1.B4 J1.B9 U4.4 | length 16.3
  Top Layer w0.5: J1.B9@22.644,-28.478 22.644,-27.003 D1.1@22.961,-26.686 22.961,-26.222 23.441,-25.742 24.477,-25.742 U4.4@24.921,-25.298
  Bottom Layer w0.5: v1(22.675,-28.879) 28.458,-28.879 v1(28.469,-28.89) ; v1(22.675,-28.274) 28.469,-28.274 v1(28.474,-28.269)
VCC: FB1.2 R17.1 R48.1 R50.2 T5.1 U5.8 | length 60.7
  Top Layer w0.35: R50.2@4.197,-10.708 5.285,-10.708 5.724,-10.269 7.387,-10.269 7.748,-9.907 U5.8@7.748,-9.482 ; v1(36.328,-26.71) 36.328,-23.709 37.28,-22.757 R48.1@38.37,-22.757
  Top Layer w0.4: v3(3.785,-13.767) 4.197,-13.355 R50.2@4.197,-10.708
  Top Layer w0.5: T5.1@23.015,-20.283 T5.1@23.097,-20.365 FB1.2@23.097,-21.816 24.641,-21.816 R17.1@24.647,-21.822
  Mid-Layer 1 w0.3: v3(3.785,-13.767) 6.883,-16.864 16.087,-16.864 18.751,-19.529 v1(22.397,-19.529)
  Mid-Layer 1 w0.35: v1(19.716,-20.434) 21.493,-20.434 v1(22.397,-19.529)
  Mid-Layer 1 w0.5: v1@22.893,-18.86 v1(22.905,-18.848)
  Mid-Layer 2 w0.35: v1(19.716,-20.434) 19.715,-22.302 22.437,-25.024 35.032,-25.024 36.328,-26.32 v1(36.328,-26.71)
  other v1: 23.49,-19.391
VDD: C57.2 C58.2 C59.2 J3.6 L6.2 R26.2 R28.2 R29.2 T7.1 | length 15.3
  Top Layer w0.254: T7.1@17.854,-4.753 17.689,-4.588 L6.2@17.689,-2.95 19.03,-2.95 19.099,-3.018 20.14,-3.018 20.165,-2.992 20.191,-2.967 C59.2@21.258,-2.967 ; R29.2@19.099,-4.38 R28.2@20.14,-4.38 21.283,-4.38 21.258,-4.355 C59.2@21.258,-2.967 ; v1(25.911,-3.365) 25.872,-3.365 25.474,-2.967 C59.2@21.258,-2.967
  Bottom Layer w0.254: v1(25.911,-3.365) 25.917,-3.37 J3.6@25.917,-4.77
VMAX: C15.2 C62.2 C63.2 L7.1 R11.2 R12.1 R13.1 U5.10 U11.3 | length 50
  Top Layer w0.2: C63.2@31.095,-5.126 31.095,-3.748 L7.1@31.533,-3.31
  Top Layer w0.254: v1(2.367,-8.944) 2.367,-8.92 2.61,-8.677 R13.1@3.174,-8.677 ; R11.2@7.01,-11.763 7.998,-11.763 8.001,-11.766 8.001,-11.329 v1(8.235,-11.095)
  Top Layer w0.3: v1(8.235,-11.095) 8.748,-10.582 U5.10@8.748,-9.482 ; R12.1@10.186,-3.113 v1@11.437,-3.113 ; v1(30.375,-1.551) 30.886,-1.551 31.146,-1.291 31.146,-1.944 31.533,-2.331 31.533,-3.31 L7.1@31.533,-3.44
  Mid-Layer 1 w0.3: v1(11.44,-3.11) 12.094,-3.764 23.271,-3.764 25.067,-1.968 29.958,-1.968 v1(30.375,-1.551)
  Bottom Layer w0.2: U11.3@30.368,-2.169 30.368,-1.558 v1(30.375,-1.551)
  Bottom Layer w0.254: v1(2.367,-8.944) 2.367,-8.92 2.371,-8.916 2.846,-8.916 3.751,-9.821 6.961,-9.821 v1(8.235,-11.095)
  Bottom Layer w0.3: v1(8.235,-11.095) 10.386,-11.095 11.783,-9.698 11.783,-8.483 12.545,-7.721 12.545,-5.964 11.44,-4.859 v1(11.44,-3.11)
VREF+: C35.2 L5.2 U9.P1 | length 5.2
  Bottom Layer w0.2: U9.P1@34.777,-20.43 36.574,-20.43 L5.2@37.907,-21.763
  Bottom Layer w0.3: C35.2@37.758,-23.201 37.758,-21.912 L5.2@37.907,-21.763
XC1: C22.1 U3.34 X2.1 | length 5.2
  Top Layer w0.2: C22.1@42.422,-17.792 42.782,-18.152 X2.1@42.782,-19.135 43.145,-19.135 43.537,-19.527 43.537,-20.993 43.238,-21.292 U3.34@43.238,-22.16
XC2: C21.2 U3.35 X2.3 | length 4.8
  Top Layer w0.2: X2.3@41.332,-20.285 42.111,-21.064 42.638,-21.064 42.838,-21.264 U3.35@42.838,-22.16
  Top Layer w0.3: C21.2@39.388,-20.245 41.292,-20.245 X2.3@41.332,-20.285
XL1: C1.2 U3.2 X1.1 | length 6.1
  Top Layer w0.2: C1.2@38.894,-30.993 39.989,-30.993 40.308,-31.312 X1.1@40.308,-31.633 42.838,-29.103 U3.2@42.838,-28.41
XL2: C2.2 U3.3 X1.2 | length 5.2
  Top Layer w0.2: U3.3@43.238,-28.41 43.238,-29.746 42.716,-30.268 42.716,-31.541 X1.2@42.808,-31.633 43.284,-31.157 C2.2@44.314,-31.157
pads on no net: J4.18 J5.0 U1. U1.1 U2.1 U2.3 U2.6 U2.8 U3.4 U3.5 U3.6 U3.8 U3.14 U3.17 U3.18 U3.27 U3.28 U3.29 U3.32 U3.38 U3.39 U3.40 U3.41 U3.42 U3.43 U3.44 U5.1 U5.7 U5.16 U5.17 U5.20 U8.1 U8.2 U8.3 U8.7 U9. U9.A1 U9.A5 U9.A7 U9.A8 U9.A9 U9.A10 U9.A13 U9.B7 U9.B8 U9.B9 U9.B10 U9.B11 U9.B15 U9.C2 U9.C3 U9.C4 U9.C10 U9.C13 U9.C14 U9.C15 U9.D2 U9.D3 U9.D4 U9.D11 U9.D13 U9.D14 U9.D15 U9.E2 U9.E3 U9.E4 U9.E12 U9.E13 U9.E14 U9.E15 U9.F1 U9.F4 U9.F15 U9.G4 U9.G15 U9.H2 U9.H3 U9.H4 U9.H14 U9.H15 U9.J2 U9.J3 U9.J4 U9.J14 U9.J15 U9.K1 U9.K2 U9.K3 U9.K12 U9.K13 U9.K14 U9.K15 U9.L1 U9.L2 U9.L3 U9.L12 U9.L13 U9.L15 U9.M3 U9.M4 U9.M5 U9.M6 U9.M7 U9.M11 U9.M12 U9.M13 U9.M15 U9.N2 U9.N3 U9.N6 U9.N7 U9.N11 U9.N12 U9.N15 U9.P6 U9.P7 U9.P10 U9.P11 U9.P12 U9.P14 U9.P15 U9.R4 U9.R5 U9.R6 U9.R7 U9.R10 U9.R11

## Polygon pours and split planes (outlines as drawn)
GND on Top Layer "NetL4_2" (solid, remove dead copper, pour order 8): 1.805,0.455 2.246,0.455 50.264,0.455 51.095,-0.377 51.208,-0.489 51.208,-2.364 51.208,-34.098 50.341,-34.965 50.31,-34.996 49.001,-34.996 1.353,-34.996 0.306,-33.949 0.306,-31.855 0.306,-0.469 1.153,0.378 1.23,0.455 1.805,0.455
GND on Bottom Layer "NetL4_2" (solid, remove dead copper, pour order 7): 1.65,0.089 2.091,0.089 50.108,0.089 50.94,-0.742 51.052,-0.855 51.052,-2.729 51.052,-34.464 50.185,-35.331 50.155,-35.361 48.846,-35.361 1.198,-35.361 0.151,-34.314 0.151,-32.22 0.151,-0.835 0.998,0.012 1.075,0.089 1.65,0.089
GND on Mid-Layer 1 "NetL4_2" (solid, remove dead copper, pour order 6): 1.796,0.054 2.238,0.054 50.255,0.054 51.086,-0.777 51.199,-0.89 51.199,-2.764 51.199,-34.499 50.332,-35.366 50.301,-35.397 48.992,-35.397 1.344,-35.397 0.297,-34.349 0.297,-32.255 0.297,-0.87 1.144,-0.023 1.221,0.054 1.796,0.054
GND on Mid-Layer 2 "NetL4_2" (solid, remove dead copper, pour order 5): 1.536,0.238 1.977,0.238 49.995,0.238 50.826,-0.594 50.939,-0.706 50.939,-2.58 50.939,-34.315 50.072,-35.182 50.041,-35.213 48.732,-35.213 1.084,-35.213 0.037,-34.166 0.037,-32.071 0.037,-0.686 0.884,0.161 0.961,0.238 1.536,0.238

## Keep-outs
Keep-Out Layer:
  lines w0.1: 1.619,-18.319 cw(c1.619,-18.819) 2.119,-18.819 2.119,-33.978 ccw(c3.619,-33.978) 3.619,-35.478 ; 1.619,-18.316 cw(c1.619,-16.816) 0.119,-16.816 0.119,-1.555 cw(c1.619,-1.555) 1.619,-0.055 ; 1.619,-0.054 21.832,-0.054 21.832,-0.659 27.464,-0.659 27.464,-0.054 32.81,-0.054 32.81,-0.659 45.895,-0.659 45.895,-0.054 49.525,-0.054 ; 3.612,-35.478 17.704,-35.478 ; 17.704,-35.476 ccw(c17.704,-34.476) 18.704,-34.476 ; 18.703,-34.474 18.703,-33.323 19.459,-33.323 ; 19.459,-33.322 ccw(c19.459,-32.266) 20.516,-32.266 20.516,-30.081 20.551,-30.046 30.584,-30.046 30.611,-30.073 30.611,-32.323 ccw(c31.611,-32.323) 31.611,-33.323 32.493,-33.323 32.493,-34.477 ccw(c33.493,-34.477) 33.493,-35.477 ; 33.485,-35.478 49.52,-35.478 ; 49.519,-35.48 ccw(c49.519,-33.98) 51.019,-33.98 ; 49.525,-0.061 cw(c49.525,-1.561) 51.025,-1.561 ; 51.02,-33.978 51.02,-1.561

## Other copper
Top Layer:
  rectangle net NFC1: 47.443,-32.583 48.521,-32.029
  rectangle net NFC2: 47.428,-34.477 48.521,-33.784
  rectangle net VBUS: 22.421,-29.138 23.452,-27.842
  rectangle net VBUS: 27.702,-29.144 28.723,-27.853
  rectangle net GND: 28.949,-29.155 29.959,-27.837
  rectangle net GND: 21.195,-29.149 22.221,-27.837
  rectangle net DP: 25.159,-29.074 25.996,-27.88
  region net 3V3: 16.395,-13.264 11.489,-13.264 11.489,-10.2 11.819,-9.871 16.935,-9.871 17.212,-10.148 17.212,-12.54 16.488,-13.264
  region net VCC: 22.604,-21.487 22.604,-20.791 21.977,-20.164 21.977,-19.325 21.987,-19.315 21.987,-18.668 22.141,-18.514 23.338,-18.514 23.782,-18.958 23.772,-18.968 23.777,-21.591 23.464,-21.583 22.595,-21.583 22.595,-21.487
  region net NetL4_2: 9.955,-9.139 9.98,-9.165 9.98,-9.774 10.056,-9.85 10.59,-9.85 10.717,-9.977 10.717,-13.127 10.691,-13.152 9.472,-13.152 9.47,-10.47 9.598,-10.342 9.599,-9.139
  pour cut-out: 46.072,-21.049 51.02,-21.049 51.016,-21.044 51.016,-0.089 50.939,-0.012 46.103,-0.012 46.072,-0.043 46.072,-18.384 46.088,-18.4 43.886,-18.4 43.886,-22.542 43.978,-22.635 46.042,-22.635 46.072,-22.604
Mid-Layer 1:
  region net VCC: 22.165,-18.499 22.165,-18.51 21.994,-18.681 21.994,-20.132 22.115,-20.253 23.626,-20.253 23.793,-20.086 23.793,-18.944 23.343,-18.494 22.175,-18.494
  pour cut-out: 46.072,-21.049 51.02,-21.049 51.016,-21.044 51.016,-0.089 50.939,-0.012 46.103,-0.012 46.072,-0.043 46.072,-18.384 46.088,-18.4 43.886,-18.4 43.886,-22.542 43.978,-22.635 46.042,-22.635 46.072,-22.604
Mid-Layer 2:
  pour cut-out: 46.072,-21.049 51.02,-21.049 51.016,-21.044 51.016,-0.089 50.939,-0.012 46.103,-0.012 46.072,-0.043 46.072,-18.384 46.088,-18.4 43.886,-18.4 43.886,-22.542 43.978,-22.635 46.042,-22.635 46.072,-22.604
Bottom Layer:
  rectangle net GND: 28.239,-18.569 31.797,-14.596
  rectangle net GND: 29.41,-14.596 31.797,-13.749
  rectangle net GND: 27.454,-16.69 28.332,-15.058
  rectangle net GND: 29.425,-19.293 30.395,-18.446
  pour cut-out: 46.072,-21.049 51.02,-21.049 51.016,-21.044 51.016,-0.089 50.939,-0.012 46.103,-0.012 46.072,-0.043 46.072,-18.384 46.088,-18.4 43.886,-18.4 43.886,-22.542 43.978,-22.635 46.042,-22.635 46.072,-22.604

## Silkscreen, mask and mechanical layers (free items; w line width, h text height)
Top Overlay:
  lines w0.1: 31.19,-6.631 31.217,-6.658 ; 46.073,-18.735 46.073,-10.46
Bottom Overlay:
  lines w0.1: 14.718,-1.013 16.217,-1.013